# KiCad board ferntypes.kicad_pcb
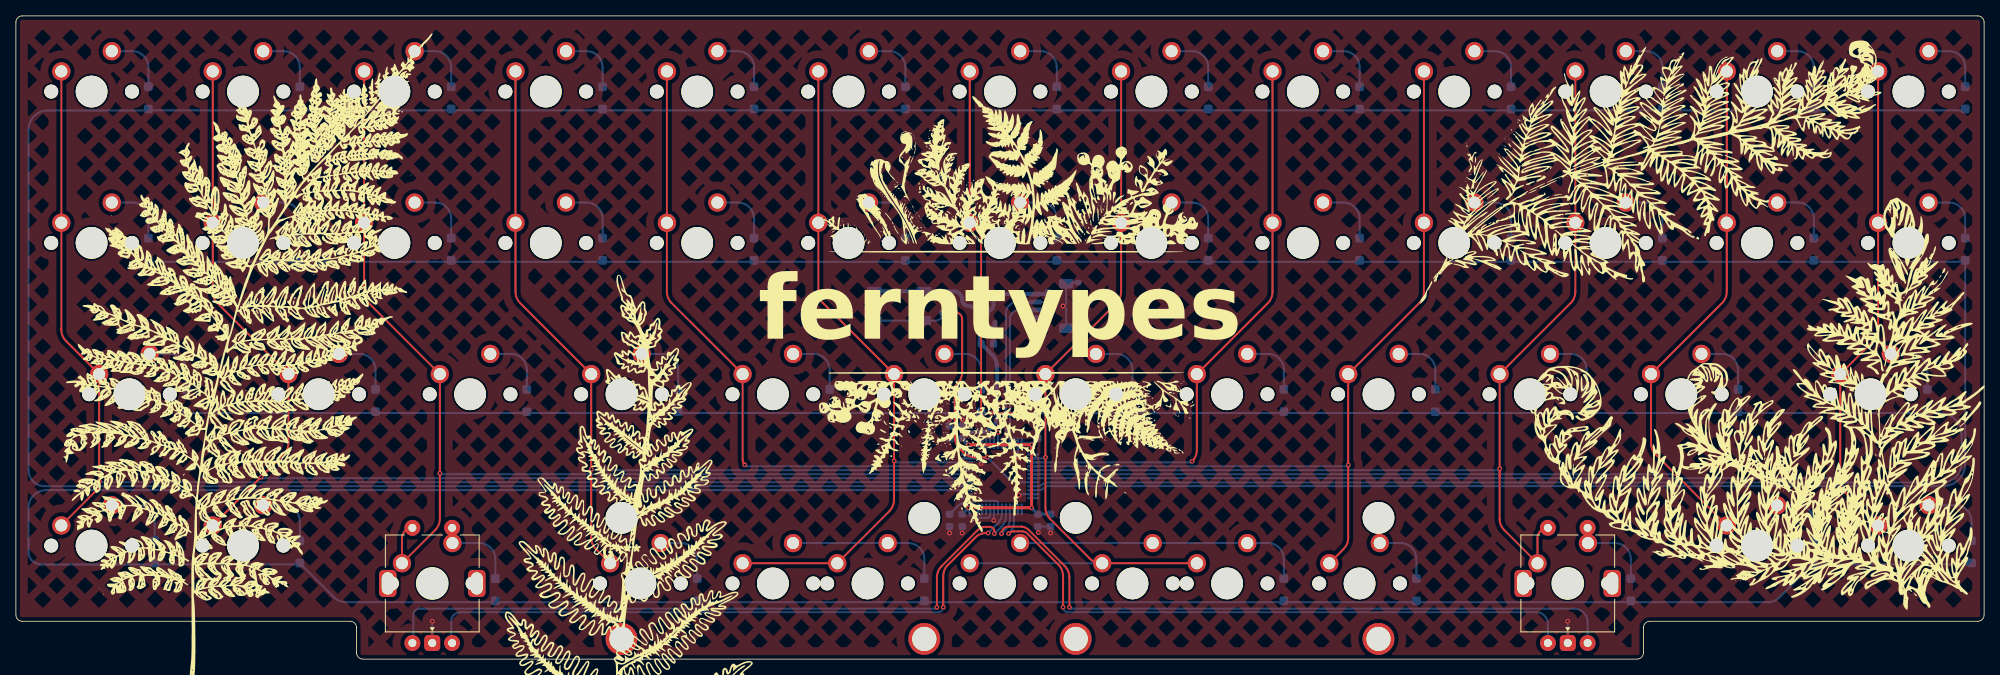
[diagram p0: board, top side]
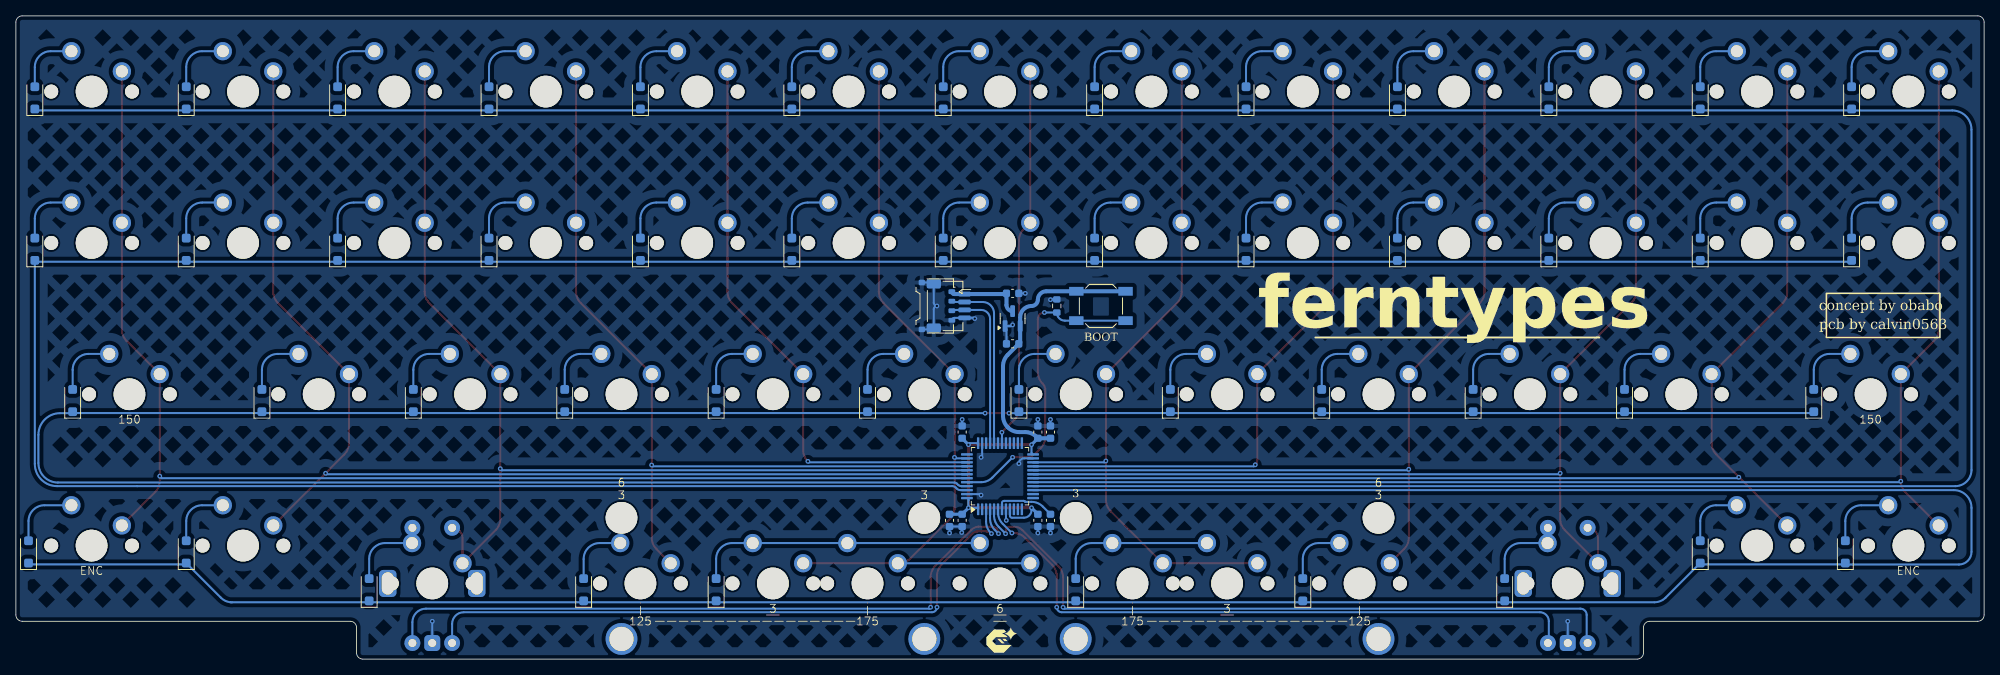
[diagram p1: board, bottom side, seen from below]

Outline 247.65 x 80.96 mm; copper layers: Top, Bottom. Coordinates in mm from the lower left corner of the outline.
Outline path: 0,80.17 arc(0.23,80.73) 0.79,80.96 246.86,80.96 arc(247.42,80.73) 247.65,80.17 247.65,5.56 arc(247.42,4.99) 246.86,4.76 205.58,4.76 arc(205.02,4.53) 204.79,3.97 204.79,0.79 arc(204.56,0.23) 203.99,0 43.66,0 arc(43.09,0.23) 42.86,0.79 42.86,3.97 arc(42.63,4.53) 42.07,4.76 0.79,4.76 arc(0.23,4.99) 0,5.56 0,80.17

## Placement (name value [footprint] x y rotation side)
C1  100nF  [C_0603_1608Metric]  128.59 28.58 90 bottom
C2  100nF  [C_0603_1608Metric]  128.59 17.46 270 bottom
C3  100nF  [C_0603_1608Metric]  130.18 17.46 270 bottom
C4  100nF  [C_0603_1608Metric]  117.47 28.58 90 bottom
C5  100nF  [C_0603_1608Metric]  119.06 17.46 270 bottom
C6  10uF  [C_0603_1608Metric]  119.06 28.58 90 bottom
C7  100nF  [C_0603_1608Metric]  117.47 17.46 270 bottom
C8  1uF  [C_0603_1608Metric]  122.24 46.04 0 bottom
C9  1uF  [C_0603_1608Metric]  122.24 39.69 180 bottom
D1  D_Small  [D_SOD-123F]  16.67 70.64 90 bottom
D2  D_Small  [D_SOD-123F]  35.72 70.64 90 bottom
D3  D_Small  [D_SOD-123F]  54.77 70.64 90 bottom
D4  D_Small  [D_SOD-123F]  73.82 70.64 90 bottom
D5  D_Small  [D_SOD-123F]  92.87 70.64 90 bottom
D6  D_Small  [D_SOD-123F]  111.92 70.64 90 bottom
D7  D_Small  [D_SOD-123F]  130.97 70.64 90 bottom
D8  D_Small  [D_SOD-123F]  150.02 70.64 90 bottom
D9  D_Small  [D_SOD-123F]  169.07 70.64 90 bottom
D10  D_Small  [D_SOD-123F]  188.12 70.64 90 bottom
D11  D_Small  [D_SOD-123F]  207.17 70.64 90 bottom
D12  D_Small  [D_SOD-123F]  226.22 70.64 90 bottom
D13  D_Small  [D_SOD-123F]  245.27 70.64 90 bottom
D14  D_Small  [D_SOD-123F]  16.67 51.59 90 bottom
D15  D_Small  [D_SOD-123F]  35.72 51.59 90 bottom
D16  D_Small  [D_SOD-123F]  54.77 51.59 90 bottom
D17  D_Small  [D_SOD-123F]  73.82 51.59 90 bottom
D18  D_Small  [D_SOD-123F]  92.87 51.59 90 bottom
D19  D_Small  [D_SOD-123F]  111.92 51.59 90 bottom
D20  D_Small  [D_SOD-123F]  130.97 51.59 90 bottom
D21  D_Small  [D_SOD-123F]  150.02 51.59 90 bottom
D22  D_Small  [D_SOD-123F]  169.07 51.59 90 bottom
D23  D_Small  [D_SOD-123F]  188.12 51.59 90 bottom
D24  D_Small  [D_SOD-123F]  207.17 51.59 90 bottom
D25  D_Small  [D_SOD-123F]  226.22 51.59 90 bottom
D26  D_Small  [D_SOD-123F]  245.27 51.59 90 bottom
D27  D_Small  [D_SOD-123F]  21.43 32.54 90 bottom
D28  D_Small  [D_SOD-123F]  45.24 32.54 90 bottom
D29  D_Small  [D_SOD-123F]  64.29 32.54 90 bottom
D30  D_Small  [D_SOD-123F]  83.34 32.54 90 bottom
D31  D_Small  [D_SOD-123F]  102.39 32.54 90 bottom
D32  D_Small  [D_SOD-123F]  121.44 32.54 90 bottom
D33  D_Small  [D_SOD-123F]  140.49 32.54 90 bottom
D34  D_Small  [D_SOD-123F]  159.54 32.54 90 bottom
D35  D_Small  [D_SOD-123F]  178.59 32.54 90 bottom
D36  D_Small  [D_SOD-123F]  197.64 32.54 90 bottom
D37  D_Small  [D_SOD-123F]  216.69 32.54 90 bottom
D38  D_Small  [D_SOD-123F]  240.51 32.54 90 bottom
D39  D_Small  [D_SOD-123F]  17.46 13.49 90 bottom
D40  D_Small  [D_SOD-123F]  35.72 13.49 90 bottom
D41  D_Small  [D_SOD-123F]  226.22 13.49 90 bottom
D42  D_Small  [D_SOD-123F]  246.06 13.49 90 bottom
D43  D_Small  [D_SOD-123F]  60.33 8.73 90 bottom
D44  D_Small  [D_SOD-123F]  85.72 8.73 90 bottom
D45  D_Small  [D_SOD-123F]  114.3 8.73 90 bottom
D46  D_Small  [D_SOD-123F]  159.54 8.73 90 bottom
D47  D_Small  [D_SOD-123F]  176.21 8.73 90 bottom
D48  D_Small  [D_SOD-123F]  203.2 8.73 90 bottom
G***  -  [LOGO]  76.2 13.49 0 top
G***#2  -  [LOGO]  35.37 38.83 0 top
G***#3  -  [LOGO]  124.62 43.66 0 top
G***#4  -  [LOGO]  214.31 42.07 0 top
G***#5  -  [LOGO]  123.82 2.38 180 bottom
J3  JST SH  [JST_SH_SM04B-SRSS-TB_1x04-1MP_P1.00mm_Horizontal]  130.28 44.45 270 bottom
J4  Pico EZmate  [Molex_Pico-EZmate_78171-0004_1x04-1MP_P1.20mm_Vertical]  131.76 44.45 270 bottom
MX1  MX_SW_solder  [SW_MX_1u]  9.52 71.44 0 top
MX2  MX_SW_solder  [SW_MX_1u]  28.58 71.44 0 top
MX3  MX_SW_solder  [SW_MX_1u]  47.62 71.44 0 top
MX4  MX_SW_solder  [SW_MX_1u]  66.67 71.44 0 top
MX5  MX_SW_solder  [SW_MX_1u]  85.72 71.44 0 top
MX6  MX_SW_solder  [SW_MX_1u]  104.78 71.44 0 top
MX7  MX_SW_solder  [SW_MX_1u]  123.82 71.44 0 top
MX8  MX_SW_solder  [SW_MX_1u]  142.88 71.44 0 top
MX9  MX_SW_solder  [SW_MX_1u]  161.93 71.44 0 top
MX10  MX_SW_solder  [SW_MX_1u]  180.97 71.44 0 top
MX11  MX_SW_solder  [SW_MX_1u]  200.03 71.44 0 top
MX12  MX_SW_solder  [SW_MX_1u]  219.07 71.44 0 top
MX13  MX_SW_solder  [SW_MX_1u]  238.12 71.44 0 top
MX14  MX_SW_solder  [SW_MX_1u]  9.52 52.39 0 top
MX15  MX_SW_solder  [SW_MX_1u]  28.58 52.39 0 top
MX16  MX_SW_solder  [SW_MX_1u]  47.62 52.39 0 top
MX17  MX_SW_solder  [SW_MX_1u]  66.67 52.39 0 top
MX18  MX_SW_solder  [SW_MX_1u]  85.72 52.39 0 top
MX19  MX_SW_solder  [SW_MX_1u]  104.78 52.39 0 top
MX20  MX_SW_solder  [SW_MX_1u]  123.82 52.39 0 top
MX21  MX_SW_solder  [SW_MX_1u]  142.88 52.39 0 top
MX22  MX_SW_solder  [SW_MX_1u]  161.93 52.39 0 top
MX23  MX_SW_solder  [SW_MX_1u]  180.97 52.39 0 top
MX24  MX_SW_solder  [SW_MX_1u]  200.03 52.39 0 top
MX25  MX_SW_solder  [SW_MX_1u]  219.07 52.39 0 top
MX26  MX_SW_solder  [SW_MX_1u]  238.12 52.39 0 top
MX27  MX_SW_solder  [SW_MX_1.5u]  14.29 33.34 0 top
MX28  MX_SW_solder  [SW_MX_1u]  38.1 33.34 0 top
MX29  MX_SW_solder  [SW_MX_1u]  57.15 33.34 0 top
MX30  MX_SW_solder  [SW_MX_1u]  76.2 33.34 0 top
MX31  MX_SW_solder  [SW_MX_1u]  95.25 33.34 0 top
MX32  MX_SW_solder  [SW_MX_1u]  114.3 33.34 0 top
MX33  MX_SW_solder  [SW_MX_1u]  133.35 33.34 0 top
MX34  MX_SW_solder  [SW_MX_1u]  152.4 33.34 0 top
MX35  MX_SW_solder  [SW_MX_1u]  171.45 33.34 0 top
MX36  MX_SW_solder  [SW_MX_1u]  190.5 33.34 0 top
MX37  MX_SW_solder  [SW_MX_1u]  209.55 33.34 0 top
MX38  MX_SW_solder  [SW_MX_1.5u]  233.36 33.34 0 top
MX39  MX_SW_solder  [SW_MX_1u]  9.52 14.29 0 top
MX40  MX_SW_solder  [SW_MX_1u]  28.58 14.29 0 top
MX41  MX_SW_solder  [SW_MX_1u]  219.07 14.29 0 top
MX42  MX_SW_solder  [SW_MX_1u]  238.12 14.29 0 top
MX43  MX_SW_solder  [SW_MX_1u]  52.39 9.53 0 top
MX44  MX_SW_solder  [SW_MX_1.25u]  78.58 9.53 0 top
MX45  MX_SW_solder  [SW_MX_1.75u]  107.16 9.53 0 top
MX46  MX_SW_solder  [SW_MX_1.75u]  140.49 9.53 0 top
MX47  MX_SW_solder  [SW_MX_1.25u]  169.07 9.53 0 top
MX48  MX_SW_solder  [SW_MX_1u]  195.26 9.53 0 top
MX49  MX_SW_solder  [SW_MX_1u]  95.25 9.53 0 top
MX50  MX_SW_solder  [SW_MX_1u]  123.82 9.53 0 top
MX51  MX_SW_solder  [SW_MX_1u]  152.4 9.53 0 top
R1  10k  [R_0603_1608Metric]  116.68 44.45 90 bottom
S1  MX_stab  [STAB_MX_P_3u]  95.25 9.53 180 top
S2  MX_stab  [STAB_MX_P_3u]  152.4 9.53 180 top
SW1  RotaryEncoder_Switch  [ROT_Alps_EC11E-Switch]  52.39 9.53 0 top
SW2  RotaryEncoder_Switch  [ROT_Alps_EC11E-Switch]  195.26 9.53 0 top
SW3  SKQGABE010  [SW_SPST_SKQG_WithoutStem]  111.12 44.45 180 bottom
U2  XC6206PxxxMR-Regulator_Linear  [SOT-23]  122.24 42.86 90 bottom
U3  STM32F072C8Tx  [LQFP-48_7x7mm_P0.5mm]  123.82 23.02 90 bottom

## Library data of the parts
C1-C6 = -: ki_fp_filters: C_*
C7 = -: LCSC: C307331; ki_fp_filters: C_*
C8 C9 = -: LCSC: C52923; ki_fp_filters: C_*
D1-D48 = -: Description: Diode, small symbol; Sim.Device: D; Sim.Pins: 1=K 2=A; ki_fp_filters: TO-???* *_Diode_* *SingleDiode* D_*
J3 J4 = -: ki_fp_filters: Connector*:*_1x??-1MP*
MX1-MX51 = -: Description: Push button switch, normally open, two pins, 45° tilted
R1 = -: ki_fp_filters: R_*
S1 S2 = -: Description: Cherry MX-style stabilizer
SW1 SW2 = -: Description: Rotary encoder, dual channel, incremental quadrate outputs, with switch; ki_fp_filters: RotaryEncoder*Switch*
SW3 = -: LCSC: C115351
U2 = -: Datasheet: https://www.torexsemi.com/file/xc6206/XC6206.pdf; LCSC: C5446; ki_fp_filters: SOT?23*
U3 = -: Datasheet: https://www.st.com/resource/en/datasheet/stm32f072c8.pdf; ki_fp_filters: LQFP*7x7mm*P0.5mm*

## Footprints (pads in the part's own frame, mm; a bottom-side part is the same pattern mirrored in y, then rotated)
C_0603_1608Metric
  rrect 0.9x0.95 smd: 1(-0.775,0) 2(0.775,0)
D_SOD-123F
  rrect 1.1x1.1 smd: 1(-1.4,0) 2(1.4,0)
JST_SH_SM04B-SRSS-TB_1x04-1MP_P1.00mm_Horizontal
  rrect 0.6x1.55 smd: 1(-1.5,2) 2(-0.5,2) 3(0.5,2) 4(1.5,2)
  rrect 1.2x1.8 smd: MP(-2.8,-1.875) MP(2.8,-1.875)
LQFP-48_7x7mm_P0.5mm
  rrect 1.475x0.3 smd: 1(-4.162,2.75) 2(-4.162,2.25) 3(-4.162,1.75) 4(-4.162,1.25) 5(-4.162,0.75) 6(-4.162,0.25) 7(-4.162,-0.25) 8(-4.162,-0.75) 9(-4.162,-1.25) 10(-4.162,-1.75) 11(-4.162,-2.25) 12(-4.162,-2.75) 25(4.162,-2.75) 26(4.162,-2.25) 27(4.162,-1.75) 28(4.162,-1.25) 29(4.162,-0.75) 30(4.162,-0.25) 31(4.162,0.25) 32(4.162,0.75) 33(4.162,1.25) 34(4.162,1.75) 35(4.162,2.25) 36(4.162,2.75)
  rrect 0.3x1.475 smd: 13(-2.75,-4.162) 14(-2.25,-4.162) 15(-1.75,-4.162) 16(-1.25,-4.162) 17(-0.75,-4.162) 18(-0.25,-4.162) 19(0.25,-4.162) 20(0.75,-4.162) 21(1.25,-4.162) 22(1.75,-4.162) 23(2.25,-4.162) 24(2.75,-4.162) 37(2.75,4.162) 38(2.25,4.162) 39(1.75,4.162) 40(1.25,4.162) 41(0.75,4.162) 42(0.25,4.162) 43(-0.25,4.162) 44(-0.75,4.162) 45(-1.25,4.162) 46(-1.75,4.162) 47(-2.25,4.162) 48(-2.75,4.162)
Molex_Pico-EZmate_78171-0004_1x04-1MP_P1.20mm_Vertical
  rrect 0.6x0.85 smd: 1(-1.8,1.875) 2(-0.6,1.875) 3(0.6,1.875) 4(1.8,1.875)
  rrect 0.7x0.8 smd: MP(-2.95,-1.9) MP(2.95,-1.9)
R_0603_1608Metric
  rrect 0.8x0.95 smd: 1(-0.825,0) 2(0.825,0)
ROT_Alps_EC11E-Switch
  round 2 hole 1: A(-2.5,-7.5) B(2.5,-7.5) S1(2.5,7) S2(-2.5,7)
  rrect 2x2 hole 1: C(0,-7.5)
  rrect 2.2x3.4 hole 1.5x2.8: MP(-5.6,0) MP(5.6,0)
SOT-23
  rrect 1.475x0.6 smd: 1(-0.938,0.95) 2(-0.938,-0.95) 3(0.938,0)
STAB_MX_P_3u
  round 4 hole 3.048: (-19.05,6.985) (19.05,6.985)
  round 3.988 hole 3.988 unplated: (-19.05,-8.255) (19.05,-8.255)
SW_MX_1.5u
  round 1.75 hole 1.75 unplated: (-5.08,0) (5.08,0)
  round 3.988 hole 3.988 unplated: (0,0)
  round 2.3 hole 1.524: 1(-3.81,2.54) 2(2.54,5.08)
SW_MX_1.25u
  round 1.75 hole 1.75 unplated: (-5.08,0) (5.08,0)
  round 3.988 hole 3.988 unplated: (0,0)
  round 2.3 hole 1.524: 1(-3.81,2.54) 2(2.54,5.08)
SW_MX_1.75u
  round 1.75 hole 1.75 unplated: (-5.08,0) (5.08,0)
  round 3.988 hole 3.988 unplated: (0,0)
  round 2.3 hole 1.524: 1(-3.81,2.54) 2(2.54,5.08)
SW_MX_1u
  round 1.75 hole 1.75 unplated: (-5.08,0) (5.08,0)
  round 3.988 hole 3.988 unplated: (0,0)
  round 2.3 hole 1.524: 1(-3.81,2.54) 2(2.54,5.08)
SW_SPST_SKQG_WithoutStem
  rect 1.8x1.1 smd: 1(-3.1,1.85) 1(3.1,1.85) 2(-3.1,-1.85) 2(3.1,-1.85)

## Nets
+3V3: C1.1 C2.1 C3.1 C4.1 C5.1 C6.1 C9.2 SW3.1 U2.2 U3.1 U3.9 U3.24 U3.36 U3.48
+5V: C8.2 J3.1 J4.1 U2.3
GND: C1.2 C2.2 C3.2 C4.2 C5.2 C6.2 C7.2 C8.1 C9.1 J3.4 J3.MP J4.4 J4.MP R1.2 SW1.C SW2.C U2.1 U3.8 U3.23 U3.35 U3.47
BOOT0: R1.1 SW3.2 U3.44
COL0: MX1.1 MX14.1 MX27.1 MX39.1 U3.17
COL1: MX2.1 MX15.1 MX28.1 MX40.1 U3.18
COL2: MX3.1 MX16.1 MX29.1 MX43.1 SW1.S2 U3.19
COL3: MX4.1 MX17.1 MX30.1 MX44.1 U3.20
COL4: MX5.1 MX18.1 MX31.1 U3.21
COL5: MX6.1 MX19.1 MX32.1 MX45.1 MX49.1 U3.22
COL6: MX7.1 MX20.1 U3.30
COL7: MX8.1 MX21.1 MX33.1 MX46.1 MX50.1 MX51.1 U3.38
COL8: MX9.1 MX22.1 MX34.1 U3.39
COL9: MX10.1 MX23.1 MX35.1 MX47.1 U3.40
COL10: MX11.1 MX24.1 MX36.1 MX48.1 SW2.S2 U3.41
COL11: MX12.1 MX25.1 MX37.1 MX41.1 U3.42
COL12: MX13.1 MX26.1 MX38.1 MX42.1 U3.43
D_N: J3.2 J4.2 U3.32
D_P: J3.3 J4.3 U3.33
l1: D43.2 MX43.2 SW1.S1
NRST: C7.1 U3.7
r1: D48.2 MX48.2 SW2.S1
rA: SW1.A U3.5
rB: SW1.B U3.6
rC: SW2.A U3.3
rD: SW2.B U3.4
ROW0: D1.1 D2.1 D3.1 D4.1 D5.1 D6.1 D7.1 D8.1 D9.1 D10.1 D11.1 D12.1 D13.1 U3.16
ROW1: D14.1 D15.1 D16.1 D17.1 D18.1 D19.1 D20.1 D21.1 D22.1 D23.1 D24.1 D25.1 D26.1 U3.46
ROW2: D27.1 D28.1 D29.1 D30.1 D31.1 D32.1 D33.1 D34.1 D35.1 D36.1 D37.1 D38.1 U3.45
ROW3: D39.1 D40.1 D41.1 D42.1 D43.1 D44.1 D45.1 D46.1 D47.1 D48.1 U3.15
Net-(D1-A): D1.2 MX1.2
Net-(D2-A): D2.2 MX2.2
Net-(D3-A): D3.2 MX3.2
Net-(D4-A): D4.2 MX4.2
Net-(D5-A): D5.2 MX5.2
Net-(D6-A): D6.2 MX6.2
Net-(D7-A): D7.2 MX7.2
Net-(D8-A): D8.2 MX8.2
Net-(D9-A): D9.2 MX9.2
Net-(D10-A): D10.2 MX10.2
Net-(D11-A): D11.2 MX11.2
Net-(D12-A): D12.2 MX12.2
Net-(D13-A): D13.2 MX13.2
Net-(D14-A): D14.2 MX14.2
Net-(D15-A): D15.2 MX15.2
Net-(D16-A): D16.2 MX16.2
Net-(D17-A): D17.2 MX17.2
Net-(D18-A): D18.2 MX18.2
Net-(D19-A): D19.2 MX19.2
Net-(D20-A): D20.2 MX20.2
Net-(D21-A): D21.2 MX21.2
Net-(D22-A): D22.2 MX22.2
Net-(D23-A): D23.2 MX23.2
Net-(D24-A): D24.2 MX24.2
Net-(D25-A): D25.2 MX25.2
Net-(D26-A): D26.2 MX26.2
Net-(D27-A): D27.2 MX27.2
Net-(D28-A): D28.2 MX28.2
Net-(D29-A): D29.2 MX29.2
Net-(D30-A): D30.2 MX30.2
Net-(D31-A): D31.2 MX31.2
Net-(D32-A): D32.2 MX32.2
Net-(D33-A): D33.2 MX33.2
Net-(D34-A): D34.2 MX34.2
Net-(D35-A): D35.2 MX35.2
Net-(D36-A): D36.2 MX36.2
Net-(D37-A): D37.2 MX37.2
Net-(D38-A): D38.2 MX38.2
Net-(D39-A): D39.2 MX39.2
Net-(D40-A): D40.2 MX40.2
Net-(D41-A): D41.2 MX41.2
Net-(D42-A): D42.2 MX42.2
Net-(D44-A): D44.2 MX44.2
Net-(D45-A): D45.2 MX45.2 MX49.2
Net-(D46-A): D46.2 MX46.2 MX50.2 MX51.2
Net-(D47-A): D47.2 MX47.2

Pads without a net: SW1 MP; SW2 MP; U3 2 10 11 12 13 14 25 26 27 28 29 31 34 37

## Via types
v1: diameter 0.6, hole 0.3, Top to Bottom, 47 vias

## Routing (per net, layer and track width the routed paths; a pad name or vN(x,y) marks a point on that pad's centre or on a via; arc(x,y) is an arc through that point)
+3V3: length 78.1
  Top w0.385: v1(119.86,26.99) v1(127.79,26.99) v1(127.79,19.05) v1(119.86,19.05)
  Bottom w0.25: v1(119.86,19.05) 119.86,18.77 arc(120.14,18.08) 120.83,17.79 122.32,17.79 arc(122.5,17.87) 122.57,18.05 U3.9 ; U3.36 127.6,27.18 arc(127.74,27.12) v1(127.79,26.99) ; v1(119.86,26.99) 119.86,25.96 arc(119.8,25.83) U3.24 ; C3.1 129.43,18.24 arc(128.67,18.39) 128.02,18.82 v1(127.79,19.05) ; v1(127.79,19.05) 127.79,20.08 arc(127.85,20.21) U3.48 ; v1(127.79,19.05) 126.77,19.05 arc(126.63,18.99) U3.1
  Bottom w0.385: C5.1 119.06,18.26 v1(119.86,19.05) ; v1(127.79,19.05) 127.79,19.03 C2.1 C3.1 ; v1(127.79,26.99) 128.59,27.78 C1.1 ; C6.1 119.06,27.78 v1(119.86,26.99)
  Bottom w0.5: C4.1 C6.1 119.25,27.99 arc(119.9,28.42) 120.67,28.58 121.41,28.58 arc(122.17,28.73) 122.82,29.16 122.86,29.2 arc(123.29,29.85) 123.44,30.61 123.44,36.88 arc(123.29,37.64) 122.86,38.29 C9.2 121.29,39.86 U2.2 121.29,43.02 arc(120.87,44.03) 119.86,44.45 arc(119.29,44.68) 119.06,45.24 arc(118.75,45.99) 118.01,46.3 SW3.1 SW3.1
+5V: length 9.8
  Bottom w0.5: J4.1 arc(129.8,46.04) 129.59,45.95 J3.1 123.1,45.95 123.01,46.04 123.01,44.58 arc(122.79,44.03) U2.3
GND: length 37.2
  Bottom w0.25: 123.01,39.69 123.01,41.5 arc(123.06,41.73) U2.1 122.38,41.93 v1(122.24,42.07) ; C6.2 v1(119.06,30.16) ; J4.MP 132.31,41.5 arc(132.2,41.54) J3.MP 132.16,44.06 arc(132.04,44.33) v1(131.76,44.45) arc(132.04,44.57) 132.16,44.84 J3.MP arc(132.2,47.36) 132.31,47.4 J4.MP ; SW2.C v1(195.26,4.76) ; v1(117.47,45.24) 117.44,45.28 R1.2 ; v1(130.18,15.88) C3.2 C2.2 128.59,15.99 arc(128.6,15.95) v1(128.64,15.93) ; C5.2 v1(119.06,15.88) ; C4.2 v1(117.47,30.16) ; v1(126.21,20.64) 126.34,20.77 U3.47 ; SW1.C v1(52.39,4.76) ; C1.2 v1(128.59,30.16) ; v1(123.03,17.46) 123.07,17.51 U3.8 ; C7.2 v1(117.47,15.88) ; v1(127,42.86) 127.09,42.95 J3.4 129.59,42.95 arc(129.8,42.86) J4.4 ; U3.35 126.07,25.53 arc(126.11,25.44) v1(126.21,25.4) ; U3.23 120.78,25.27 arc(121.25,25.07) v1(121.44,24.61) ; C8.1 v1(120.65,46.04)
BOOT0: length 39.6
  Top w0.25: v1(122.24,25.4) 120.68,25.4 arc(119.92,25.55) 119.27,25.99 118.72,26.54 arc(118.28,27.19) 118.13,27.95 118.13,33.86 118.13,33.97 arc(118.24,34.36) 118.48,34.69 arc(118.91,35.34) 119.06,36.11 119.06,42.8 arc(118.82,43.38) v1(118.24,43.62)
  Bottom w0.25: SW3.2 SW3.2 115.66,42.6 arc(116.38,42.9) R1.1 v1(118.24,43.62) ; U3.44 126.2,22.27 arc(125.43,22.42) 124.78,22.85 v1(122.24,25.4)
COL0: length 170.2
  Top w0.25: MX39.1 9.89,21 arc(10.33,21.65) 10.48,22.42 MX27.1 6.3,40.05 arc(5.87,40.7) 5.71,41.47 MX1.1
  Bottom w0.25: U3.17 10.61,22.27 arc(10.52,22.31) v1(10.49,22.39)
COL1: length 153.7
  Top w0.25: MX40.1 33.7,25.77 arc(34.14,26.42) 34.29,27.18 MX28.1 25.35,44.82 arc(24.92,45.47) 24.77,46.23 MX2.1
  Bottom w0.25: U3.18 30.99,22.77 arc(30.9,22.81) v1(30.86,22.89)
COL2: length 139.3
  Top w0.25: MX3.1 43.81,46.23 arc(43.97,45.47) 44.4,44.82 MX29.1 53.34,17.66 arc(53.19,16.89) 52.75,16.24 MX43.1 48.58,15.22 arc(48.96,16.14) SW1.S2
  Bottom w0.25: U3.19 53.47,23.27 arc(53.38,23.31) v1(53.34,23.39)
COL3: length 114
  Top w0.25: MX44.1 72.98,13.86 arc(72.54,14.51) 72.39,15.27 MX30.1 63.45,44.82 arc(63.02,45.47) 62.86,46.23 MX4.1
  Bottom w0.25: U3.20 72.52,23.77 arc(72.43,23.81) v1(72.39,23.89)
COL4: length 81.5
  Top w0.25: MX5.1 81.92,46.23 arc(82.07,45.47) 82.5,44.82 MX31.1 91.44,25.1 arc(91.51,24.75) v1(91.7,24.46)
  Bottom w0.25: U3.21 91.9,24.27 arc(91.76,24.32) v1(91.7,24.46)
COL5: length 89.8
  Top w0.25: MX49.1 MX45.1 109.9,18.62 arc(110.34,19.27) 110.49,20.04 MX32.1 101.55,44.82 arc(101.12,45.47) 100.97,46.23 MX6.1
  Bottom w0.25: U3.22 110.69,24.77 arc(110.56,24.82) v1(110.51,24.95)
COL6: length 48.1
  Top w0.25: MX7.1 120.01,54.93 120.86,54.08 arc(121.29,53.44) 121.44,52.67 121.44,31.52 arc(121.6,30.75) 122.03,30.1 v1(123.59,28.54)
  Bottom w0.25: v1(123.59,28.54) 123.57,28.53 U3.30
COL7: length 99.3
  Top w0.25: MX51.1 MX46.1 136.54,12.07 arc(135.78,12.22) 135.13,12.65 130.13,17.65 arc(129.69,18.3) 129.54,19.07 MX33.1 138.48,44.82 arc(138.91,45.47) 139.06,46.23 MX8.1
  Bottom w0.25: U3.38 129.43,25.27 arc(129.51,25.31) v1(129.55,25.39) ; MX50.1 MX46.1
COL8: length 73.2
  Top w0.25: v1(148,24.89) 148,24.9 arc(148.44,25.55) 148.59,26.32 MX34.1 157.53,44.82 arc(157.96,45.47) 158.12,46.23 MX9.1
  Bottom w0.25: U3.39 147.87,24.77 arc(147.96,24.81) v1(148,24.89)
COL9: length 106.4
  Top w0.25: MX10.1 177.16,46.23 arc(177.01,45.47) 176.58,44.82 MX35.1 167.64,15.27 arc(167.49,14.51) 167.05,13.86 MX47.1
  Bottom w0.25: U3.40 167.5,24.27 arc(167.61,24.32) v1(167.66,24.43)
COL10: length 132.7
  Top w0.25: 186.69,23.02 186.69,17.66 arc(186.84,16.89) 187.28,16.24 MX48.1 191.45,15.22 arc(191.84,16.14) SW2.S2 ; 186.69,23.02 MX36.1 195.63,44.82 arc(196.06,45.47) 196.22,46.23 MX11.1 ; 186.69,23.02 186.7,23.03 v1(186.7,23.97)
  Bottom w0.25: U3.41 186.51,23.77 arc(186.65,23.83) v1(186.7,23.97)
COL11: length 146
  Top w0.25: 208.91,23.18 206.33,25.77 arc(205.89,26.42) 205.74,27.18 MX37.1 214.68,44.82 arc(215.11,45.47) 215.26,46.23 MX12.1 ; 208.91,23.18 MX41.1 ; 208.91,23.18 208.9,23.18 v1(208.68,23.39)
  Bottom w0.25: U3.42 208.56,23.27 arc(208.64,23.31) v1(208.68,23.39)
COL12: length 162.6
  Top w0.25: MX42.1 230.14,21 arc(229.7,21.65) 229.55,22.42 MX38.1 233.73,40.05 arc(234.16,40.7) 234.31,41.47 MX13.1
  Bottom w0.25: U3.43 229.29,22.77 arc(229.47,22.84) v1(229.55,23.03)
D_N: length 22.5
  Bottom w0.25: U3.32 124.57,43.52 arc(125,44.53) 126.01,44.95 J3.2 129.79,44.95 arc(129.86,44.98) J4.2
D_P: length 21.2
  Bottom w0.25: U3.33 125.07,42.82 arc(125.41,43.62) 126.21,43.95 J3.3 129.79,43.95 arc(129.86,43.92) J4.3
l1: length 11
  Bottom w0.25: D43.2 60.33,12.61 arc(59.74,14.02) 58.33,14.61 MX43.2 arc(54.9,14.62) 54.89,14.65 SW1.S1
NRST: length 7.7
  Bottom w0.25: C7.1 118.45,19.21 arc(119.09,19.64) 119.86,19.79 120.6,19.79 arc(120.65,19.8) 120.69,19.83 120.74,19.88 arc(120.78,19.91) 120.83,19.92 123.32,19.92 arc(123.5,19.84) 123.57,19.66 U3.7
r1: length 11
  Bottom w0.25: SW2.S1 197.76,14.65 arc(197.77,14.62) 197.8,14.61 201.2,14.61 arc(202.61,14.02) 203.2,12.61 D48.2
rA: length 88.2
  Top w0.25: v1(115.89,6.53) 115.89,10.28 arc(116.04,11.05) 116.47,11.7 121.02,16.25 arc(121.47,16.55) 121.99,16.65 122.54,16.65 arc(122.95,16.48) 123.12,16.07 v1(123.12,15.78)
  Bottom w0.25: U3.5 124.57,18.07 arc(124.42,17.3) 123.99,16.65 v1(123.12,15.78) ; SW1.A arc(49.97,2.06) 50.01,2.14 50.01,5.56 arc(50.24,6.12) 50.8,6.35 115.71,6.35 arc(115.84,6.4) v1(115.89,6.53)
rB: length 81.5
  Top w0.25: v1(116.69,6.53) 116.69,10.45 arc(116.84,11.21) 117.27,11.86 120.7,15.29 arc(121.35,15.72) 122.11,15.88 v1(122.33,15.88)
  Bottom w0.25: v1(122.33,15.88) 123.49,17.04 arc(123.92,17.69) 124.07,18.45 U3.6 ; SW1.B arc(54.8,2.06) 54.77,2.14 54.77,4.76 arc(55.1,5.57) 55.91,5.9 116.06,5.9 arc(116.5,6.08) v1(116.69,6.53)
rC: length 81.3
  Top w0.25: 127.24,15.82 131.17,11.89 arc(131.6,11.24) 131.76,10.47 v1(131.76,6.53) ; v1(124.91,15.8) arc(125.22,16.01) 125.58,16.08 126.6,16.08 arc(126.91,16.03) 127.18,15.88
  Bottom w0.25: SW2.A 192.76,4.43 arc(192.33,5.47) 191.29,5.9 132.39,5.9 arc(131.94,6.08) v1(131.76,6.53) ; v1(124.91,15.8) 124.99,15.88 arc(125.42,16.53) 125.57,17.3 U3.3
rD: length 88.1
  Top w0.25: v1(132.56,6.53) 132.56,10.31 arc(132.4,11.07) 131.97,11.72 127.42,16.27 arc(127.03,16.55) 126.58,16.66 126.57,16.67 124.89,16.67 arc(124.27,16.41) v1(124.01,15.79)
  Bottom w0.25: U3.4 125.07,17.68 arc(124.92,16.92) 124.49,16.27 v1(124.01,15.79) ; SW2.B 197.76,4.64 arc(197.26,5.85) 196.06,6.35 132.74,6.35 arc(132.61,6.4) v1(132.56,6.53)
ROW0: length 408.9
  Bottom w0.25: U3.16 3.63,21.77 arc(2.19,22.37) 1.59,23.81 1.59,66.64 arc(2.3,68.35) 4,69.06 16.48,69.06 D1.1 16.84,69.07 35.54,69.07 D2.1 35.89,69.07 54.59,69.07 D3.1 54.94,69.07 73.64,69.07 D4.1 73.99,69.07 92.69,69.07 D5.1 93.04,69.07 111.74,69.07 D6.1 112.09,69.07 130.79,69.07 D7.1 131.14,69.07 149.84,69.07 D8.1 150.19,69.07 168.89,69.07 D9.1 169.24,69.07 187.94,69.07 D10.1 188.29,69.07 206.99,69.07 D11.1 207.34,69.07 226.04,69.07 D12.1 226.39,69.07 245.09,69.07 D13.1
ROW1: length 375
  Bottom w0.25: D14.1 16.84,50.02 35.54,50.02 D15.1 35.89,50.02 54.59,50.02 D16.1 54.94,50.02 73.64,50.02 D17.1 73.99,50.02 92.69,50.02 D18.1 93.04,50.02 111.74,50.02 D19.1 112.09,50.02 130.79,50.02 D20.1 131.14,50.02 149.84,50.02 D21.1 150.19,50.02 168.89,50.02 D22.1 169.24,50.02 187.94,50.02 D23.1 188.29,50.02 206.99,50.02 D24.1 207.34,50.02 226.04,50.02 D25.1 226.39,50.02 245.09,50.02 D26.1 245.27,24.57 arc(244.45,22.59) 242.47,21.77 232.39,21.77 232.38,21.78 129.84,21.78 arc(129.59,21.73) 129.38,21.58 129.23,21.44 arc(129.04,21.31) 128.82,21.27 U3.46
ROW2: length 348.6
  Top w0.25: v1(125.7,30.96) v1(122.69,30.96)
  Bottom w0.25: v1(125.7,30.96) 140.31,30.96 D33.1 140.67,30.97 159.37,30.97 D34.1 159.72,30.97 178.42,30.97 D35.1 178.77,30.97 197.47,30.97 D36.1 197.82,30.97 216.52,30.97 D37.1 216.87,30.97 240.33,30.97 D38.1 240.69,30.96 242.09,30.96 arc(244.02,30.16) 244.82,28.23 244.82,24.67 arc(244.1,22.94) 242.37,22.23 129.57,22.23 arc(129.4,22.19) 129.25,22.09 129.06,21.91 arc(128.91,21.8) 128.73,21.77 U3.45 ; D27.1 21.61,30.97 45.07,30.97 D28.1 45.42,30.97 64.12,30.97 D29.1 64.47,30.97 83.17,30.97 D30.1 83.52,30.97 102.22,30.97 D31.1 102.57,30.97 121.27,30.97 D32.1 121.63,30.96 v1(122.69,30.96)
ROW3: length 375.7
  Bottom w0.25: 220.66,7.16 203.38,7.16 D48.1 203.02,7.16 176.39,7.16 D47.1 176.04,7.16 159.72,7.16 D46.1 159.37,7.16 114.48,7.16 D45.1 114.12,7.16 85.9,7.16 D44.1 85.55,7.16 60.5,7.16 D43.1 60.15,7.16 41.48,7.16 arc(40.72,7.31) 40.07,7.74 D40.1 35.54,11.92 17.64,11.92 D39.1 17.27,11.91 3.18,11.91 arc(2.05,12.37) 1.59,13.49 1.59,19.05 arc(2.24,20.62) 3.81,21.27 U3.15 ; D42.1 245.89,11.92 226.39,11.92 D41.1 221.85,7.73 arc(221.21,7.3) 220.44,7.14
Net-(D1-A): length 8.2
  Bottom w0.25: D1.2 16.67,74.52 arc(16.08,75.93) 14.67,76.52 MX1.2
Net-(D2-A): length 8.2
  Bottom w0.25: MX2.2 33.72,76.52 arc(35.13,75.93) 35.72,74.52 D2.2
Net-(D3-A): length 8.2
  Bottom w0.25: MX3.2 52.77,76.52 arc(54.18,75.93) 54.77,74.52 D3.2
Net-(D4-A): length 8.2
  Bottom w0.25: D4.2 73.82,74.52 arc(73.23,75.93) 71.82,76.52 MX4.2
Net-(D5-A): length 8.2
  Bottom w0.25: D5.2 92.87,74.52 arc(92.28,75.93) 90.87,76.52 MX5.2
Net-(D6-A): length 8.2
  Bottom w0.25: MX6.2 109.92,76.52 arc(111.33,75.93) 111.92,74.52 D6.2
Net-(D7-A): length 8.2
  Bottom w0.25: MX7.2 128.97,76.52 arc(130.38,75.93) 130.97,74.52 D7.2
Net-(D8-A): length 8.2
  Bottom w0.25: MX8.2 148.02,76.52 arc(149.43,75.93) 150.02,74.52 D8.2
Net-(D9-A): length 8.2
  Bottom w0.25: D9.2 169.07,74.52 arc(168.48,75.93) 167.07,76.52 MX9.2
Net-(D10-A): length 8.2
  Bottom w0.25: MX10.2 186.12,76.52 arc(187.53,75.93) 188.12,74.52 D10.2
Net-(D11-A): length 8.2
  Bottom w0.25: MX11.2 205.17,76.52 arc(206.58,75.93) 207.17,74.52 D11.2
Net-(D12-A): length 8.2
  Bottom w0.25: MX12.2 224.22,76.52 arc(225.63,75.93) 226.22,74.52 D12.2
Net-(D13-A): length 8.2
  Bottom w0.25: MX13.2 243.27,76.52 arc(244.68,75.93) 245.27,74.52 D13.2
Net-(D14-A): length 8.2
  Bottom w0.25: 12.06,57.47 14.67,57.47 arc(16.08,56.88) 16.67,55.47 D14.2
Net-(D15-A): length 8.2
  Bottom w0.25: 31.12,57.47 33.72,57.47 arc(35.13,56.88) 35.72,55.47 D15.2
Net-(D16-A): length 8.2
  Bottom w0.25: D16.2 54.77,55.47 arc(54.18,56.88) 52.77,57.47 50.17,57.47
Net-(D17-A): length 8.2
  Bottom w0.25: D17.2 73.82,55.47 arc(73.23,56.88) 71.82,57.47 69.22,57.47
Net-(D18-A): length 8.2
  Bottom w0.25: D18.2 92.87,55.47 arc(92.28,56.88) 90.87,57.47 88.27,57.47
Net-(D19-A): length 8.2
  Bottom w0.25: 107.31,57.47 109.92,57.47 arc(111.33,56.88) 111.92,55.47 D19.2
Net-(D20-A): length 8.2
  Bottom w0.25: 126.37,57.47 128.97,57.47 arc(130.38,56.88) 130.97,55.47 D20.2
Net-(D21-A): length 8.2
  Bottom w0.25: D21.2 150.02,55.47 arc(149.43,56.88) 148.02,57.47 145.41,57.47
Net-(D22-A): length 8.2
  Bottom w0.25: D22.2 169.07,55.47 arc(168.48,56.88) 167.07,57.47 164.47,57.47
Net-(D23-A): length 8.2
  Bottom w0.25: D23.2 188.12,55.47 arc(187.53,56.88) 186.12,57.47 183.51,57.47
Net-(D24-A): length 8.2
  Bottom w0.25: D24.2 207.17,55.47 arc(206.58,56.88) 205.17,57.47 202.56,57.47
Net-(D25-A): length 8.2
  Bottom w0.25: 221.62,57.47 224.22,57.47 arc(225.63,56.88) 226.22,55.47 D25.2
Net-(D26-A): length 8.2
  Bottom w0.25: 240.67,57.47 243.27,57.47 arc(244.68,56.88) 245.27,55.47 D26.2
Net-(D27-A): length 8.2
  Bottom w0.25: MX27.2 19.43,38.42 arc(20.85,37.83) 21.43,36.42 D27.2
Net-(D28-A): length 8.2
  Bottom w0.25: D28.2 45.24,36.42 arc(44.66,37.83) 43.24,38.42 MX28.2
Net-(D29-A): length 8.2
  Bottom w0.25: D29.2 64.29,36.42 arc(63.71,37.83) 62.29,38.42 MX29.2
Net-(D30-A): length 8.2
  Bottom w0.25: MX30.2 81.34,38.42 arc(82.76,37.83) 83.34,36.42 D30.2
Net-(D31-A): length 8.2
  Bottom w0.25: D31.2 102.39,36.42 arc(101.81,37.83) 100.39,38.42 MX31.2
Net-(D32-A): length 8.2
  Bottom w0.25: MX32.2 119.44,38.42 arc(120.86,37.83) 121.44,36.42 D32.2
Net-(D33-A): length 8.2
  Bottom w0.25: D33.2 140.49,36.42 arc(139.91,37.83) 138.49,38.42 MX33.2
Net-(D34-A): length 8.2
  Bottom w0.25: MX34.2 157.54,38.42 arc(158.96,37.83) 159.54,36.42 D34.2
Net-(D35-A): length 8.2
  Bottom w0.25: MX35.2 176.59,38.42 arc(178.01,37.83) 178.59,36.42 D35.2
Net-(D36-A): length 8.2
  Bottom w0.25: MX36.2 195.64,38.42 arc(197.06,37.83) 197.64,36.42 D36.2
Net-(D37-A): length 8.2
  Bottom w0.25: MX37.2 214.69,38.42 arc(216.11,37.83) 216.69,36.42 D37.2
Net-(D38-A): length 8.2
  Bottom w0.25: D38.2 240.51,36.42 arc(239.92,37.83) 238.51,38.42 235.9,38.42
Net-(D39-A): length 9
  Bottom w0.25: MX39.2 15.46,19.37 arc(16.88,18.78) 17.46,17.37 D39.2
Net-(D40-A): length 8.2
  Bottom w0.25: MX40.2 33.72,19.37 arc(35.13,18.78) 35.72,17.37 D40.2
Net-(D41-A): length 8.2
  Bottom w0.25: D41.2 226.22,17.37 arc(225.63,18.78) 224.22,19.37 MX41.2
Net-(D42-A): length 9
  Bottom w0.25: D42.2 246.06,17.37 arc(245.48,18.78) 244.06,19.37 MX42.2
Net-(D44-A): length 8.2
  Bottom w0.25: MX44.2 83.72,14.61 arc(85.14,14.02) 85.72,12.61 D44.2
Net-(D45-A): length 20.1
  Bottom w0.25: D45.2 114.3,12.61 arc(113.71,14.02) 112.3,14.61 MX45.2 MX49.2
Net-(D46-A): length 36.8
  Bottom w0.25: MX50.2 MX51.2 157.54,14.61 arc(158.96,14.02) 159.54,12.61 D46.2
Net-(D47-A): length 8.2
  Bottom w0.25: D47.2 176.21,12.61 arc(175.63,14.02) 174.21,14.61 MX47.2

## Copper pours and planes (outline as drawn; the poured copper is in the pictures)
GND on Top, Bottom: -3.18,89.69 252.41,89.69 252.41,-11.91 -3.18,-11.91

## Text on the board
B.Silkscreen: ENC | 150 | 6 | 3 | 125 | 175 | BOOT | pcb by calvin0563 | concept by obabo | ferntypes
F.Silkscreen: ferntypes
